# Allegro board DPU_PoE_A1_Oct-9-26.brd (continued)
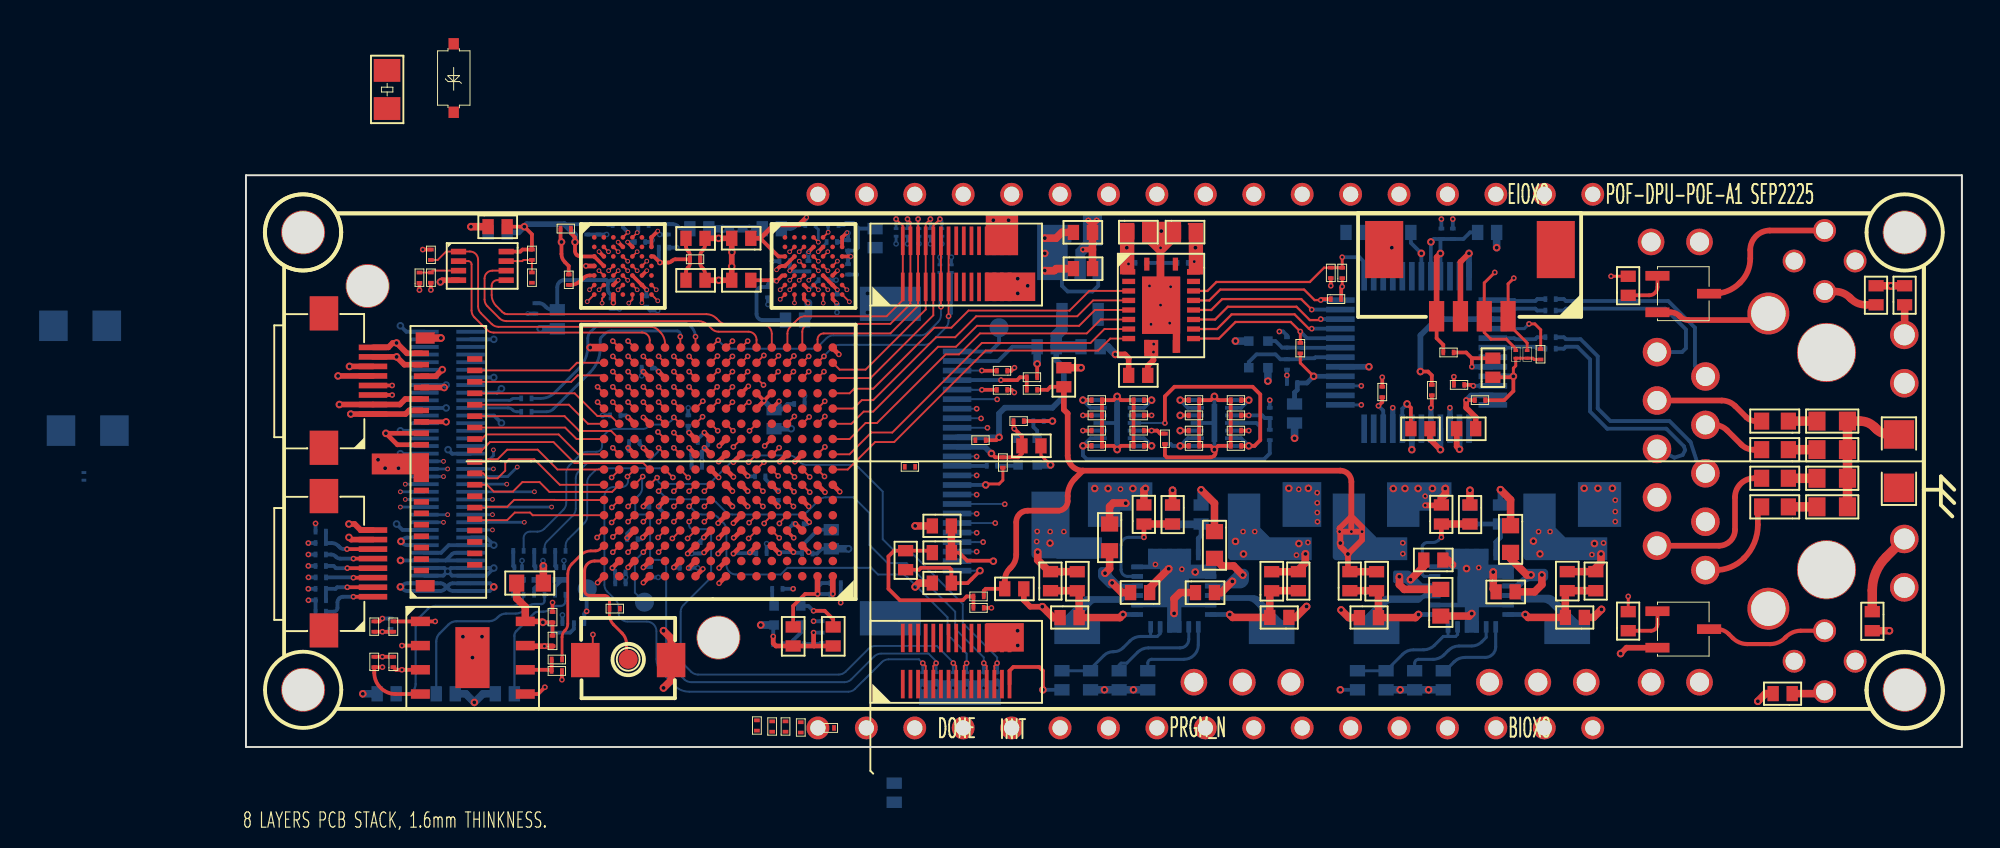
[diagram p0: board, top side]
## Copper pours and planes (outline as drawn; the poured copper is in the pictures) (continued)
GND on BOTTOM (solid shape): 47.54,13.13 46.47,13.13 46.47,12.4 45.86,12.4 45.86,11.55 44.16,11.55 44.16,13.89 47.54,13.89
GND on BOTTOM (solid shape): 63.23,13.13 62.16,13.13 62.16,12.4 61.55,12.4 61.55,11.55 59.85,11.55 59.85,13.89 63.23,13.89
GND on BOTTOM (solid shape): 44.9,26.3 44.5,26.3 44,25.8 44,24.5 43.5,24.5 43.5,26.1 43.9,26.5 43.9,27.9 44.9,27.9
GND on BOTTOM (solid shape): 49.56,9.57 50.89,9.57 50.89,8.83 49.44,8.83 49.44,7.57 50.89,7.57 50.89,7.33 49.06,7.33 49.06,6 48.32,6 48.32,7.33 46.44,7.33 46.44,7.57 47.94,7.57 47.94,9.33 46.44,9.33 46.44,9.57 47.32,9.57 47.32,10.4 49.56,10.4
GND on BOTTOM (solid shape): 65.17,9.57 66.5,9.57 66.5,8.83 65.05,8.83 65.05,7.57 66.5,7.57 66.5,7.33 64.67,7.33 64.67,6 63.93,6 63.93,7.33 62.05,7.33 62.05,7.57 63.55,7.57 63.55,9.33 62.05,9.33 62.05,9.57 62.93,9.57 62.93,10.4 65.17,10.4
P1V0 on BOTTOM (solid shape): 43.2,11 44.9,11 44.9,9.9 41.4,9.9 41.26,9.96 41.2,10.1 41.2,13.4 43.2,13.4
P1V8 on TOP (solid shape): 41.4,23.4 38.8,23.4 38.8,24.9 41.4,24.9
P1V8 on TOP (solid shape): 46.6,25.07 46.64,25.07 46.64,24.8 45.84,24.8 45.84,27.5 46.6,27.5
P1V8 on BOTTOM (solid shape): 43.1,24.5 41.5,24.5 41.5,27.4 43.1,27.4
P1V8 on BOTTOM (solid shape): 53.2,11.5 53.7,11 55.9,11 55.9,9.8 51.7,9.8 51.56,9.86 51.5,10 51.5,13.3 53.2,13.3
P2V8 on BOTTOM (solid shape): 58.7,11.6 59.3,11 60.91,11 60.91,9.8 57.2,9.8 57.06,9.86 57,10 57,13.3 58.7,13.3
P3V3 on TOP (solid shape): 40.8,5 38.8,5 38.8,6.5 40.8,6.5
P3V3 on TOP (solid shape): 50.2,24.79 49.36,24.79 49.36,25.07 49.45,25.07 49.45,27.37 49.4,27.42 49.4,27.5 50.2,27.5
P3V3 on BOTTOM (solid shape): 68.7,11.5 69.2,11 71.4,11 71.4,9.8 67.2,9.8 67.06,9.86 67,10 67,13.3 68.7,13.3
P5V0 on TOP (solid shape): 9.6,13.9 8.8,13.9 8.8,14.3 6.6,14.3 6.6,15.4 9.6,15.4
N1599549 on BOTTOM (solid shape): 47.05,7.82 46.3,7.82 46.21,7.8 46.13,7.75 46.01,7.63 45.93,7.58 45.84,7.56 44.56,7.56 44.47,7.54 44.39,7.49 43.97,7.07 43.92,6.99 43.9,6.9 43.9,6.7 43.93,6.63 44,6.6 44.8,6.6 44.8,5.4 42.4,5.4 42.4,6.6 42.6,6.6 42.69,6.62 42.77,6.67 43.95,7.85 44.03,7.9 44.12,7.92 45.91,7.92 45.96,7.93 46,7.96 46.08,8.04 46.12,8.07 46.17,8.08 47.05,8.08
N1616720 on BOTTOM (solid shape): 51.1,8.08 51.15,8.07 51.19,8.04 51.27,7.99 51.36,7.97 52.83,7.97 53.01,7.93 53.17,7.83 54.26,6.74 54.42,6.64 54.6,6.6 55,6.6 55,5.4 52.6,5.4 52.6,6.6 53,6.6 53.14,6.66 53.2,6.8 53.2,7 53.16,7.18 53.06,7.34 52.87,7.53 52.71,7.63 52.53,7.67 51.3,7.67 51.21,7.69 51.13,7.74 51.12,7.75 51.04,7.8 50.95,7.82 50.3,7.82 50.3,8.08
N2071731 on BOTTOM (solid shape): 62.65,7.8 61.9,7.8 61.81,7.78 61.73,7.73 61.63,7.63 61.55,7.58 61.46,7.56 60.06,7.56 59.97,7.54 59.89,7.49 59.67,7.27 59.62,7.19 59.6,7.1 59.6,6.7 59.63,6.63 59.7,6.6 60.5,6.6 60.5,5.4 58.1,5.4 58.1,6.6 58.3,6.6 58.39,6.62 58.47,6.67 59.68,7.88 59.76,7.93 59.85,7.95 61.55,7.95 61.64,7.97 61.72,8.02 61.77,8.07 61.78,8.08 61.8,8.08 62.65,8.08
N2072149 on BOTTOM (solid shape): 66.74,8.08 66.76,8.08 66.77,8.07 66.84,8 66.85,7.99 66.87,7.99 68.31,7.99 68.49,7.95 68.65,7.85 69.76,6.74 69.92,6.64 70.1,6.6 70.5,6.6 70.5,5.4 68.1,5.4 68.1,6.6 68.9,6.6 68.97,6.63 69,6.7 68.98,6.79 68.93,6.87 68.36,7.44 68.2,7.54 68.02,7.58 67.19,7.58 67.01,7.62 66.85,7.72 66.82,7.75 66.74,7.8 66.65,7.82 65.9,7.82 65.9,8.08
P5V0 on BOTTOM (solid shape): 52.34,9.35 52.43,9.33 52.51,9.28 52.54,9.25 52.59,9.17 52.61,9.08 52.61,8.81 52.57,8.63 52.47,8.47 52.46,8.46 52.3,8.36 52.12,8.32 50.3,8.32 50.3,8.58 51.06,8.58 51.24,8.62 51.4,8.72 51.96,9.28 52.04,9.33 52.13,9.35
P5V0 on BOTTOM (solid shape): 45.2,9.44 45.34,9.38 45.4,9.24 45.4,9.17 45.42,9.08 45.47,9 45.83,8.64 45.91,8.59 46,8.57 47.05,8.57 47.05,8.32 45.34,8.32 45.25,8.34 45.17,8.39 44.76,8.8 44.71,8.88 44.69,8.97 44.69,9.24 44.75,9.38 44.89,9.44
P5V0 on BOTTOM (solid shape): 60.93,9.26 61.02,9.24 61.1,9.19 61.67,8.62 61.71,8.59 61.76,8.58 62.65,8.58 62.65,8.32 61.51,8.32 61.46,8.33 61.42,8.36 61.4,8.38 61.36,8.41 61.31,8.42 61.08,8.42 60.99,8.44 60.91,8.49 60.87,8.53 60.79,8.58 60.7,8.6 60.27,8.6 60.2,8.63 60.17,8.7 60.17,9.16 60.2,9.23 60.27,9.26
P5V0 on BOTTOM (solid shape): 68.1,9.35 68.24,9.29 68.3,9.15 68.3,8.9 68.24,8.76 68.1,8.7 67.4,8.7 67.22,8.66 67.06,8.56 66.89,8.39 66.81,8.34 66.72,8.32 65.9,8.32 65.9,8.58 66.5,8.58 66.59,8.6 66.67,8.65 66.98,8.96 67.03,9.04 67.05,9.13 67.05,9.25 67.08,9.32 67.15,9.35

Small or netless copper shapes (teardrops, artwork), in the pictures only: 1 on TOP

## Text on the board
Ref Des/Silkscreen Bottom: GND | P5V0_IN | INFIRAY L640X512 | 2 | 70 | 69 | 1 | 24 | OV5640 | M1.6X3 | P1V8 | P3V3 | P2V8 | P1V0 | PCB SIZE:90MMX30MM | POF-DPU-POE-A1 SEP2225 | POF-DPU-POE-COMPATIBLE SEP2225 | GOD BLESS | NO BUGS PERMANENTLY | 10/100BASET POE CONFIG
Ref Des/Silkscreen Top: 8 LAYERS PCB STACK, 1.6mm THINKNESS. | ANY QUESTIONS PLEASE CONTACT ME: +8613522296239 | DONE | INIT | PRGM_N | EIOX8 | BIOX8 | POF-DPU-POE-A1 SEP2225
XSECTION_CHART: ___________________________ | *  DIELECTRIC | L2 GND-2 CONDUCTOR | L3 SIG-3 CONDUCTOR | L4 VCC-4 CONDUCTOR | L5 GND-5 CONDUCTOR | L6 SIG-6 CONDUCTOR | L7 GND-7 CONDUCTOR | L8 BOTTOM CONDUCTOR | *  SURFACE | L1 TOP CONDUCTOR | TOTAL THICKNESS 1.66624 MM | DESIGN CROSS SECTION CHART | 1-8
DIMENSION: FIGURE | FINISHED_SIZE | 0.15 | 0.2 | 0.8 | 0.9 | 1.0 | 1.1 | 1.2 | 1.8 | 2.2 | 3.0 | DRILL CHART: TOP to BOTTOM | ALL UNITS ARE IN MILLIMETERS | PLATED | NON-PLATED | QTY | 104 | 301 | 193 | 8 | 10 | 4 | 2 | 6
